# Altium PCB Thermostat_8CH.PCBDOC (part 7 of 10)
Units mil, origin at the board's own origin, x right, y up, seen from the top; angles counter-clockwise.
Board outline 8409.08 x 3937.01 mil, 4 copper layers (TOP, G1, L2, BOT), stack 61.024 mil thick; 941 components, 513 nets, 2912 pads, 1409 vias.
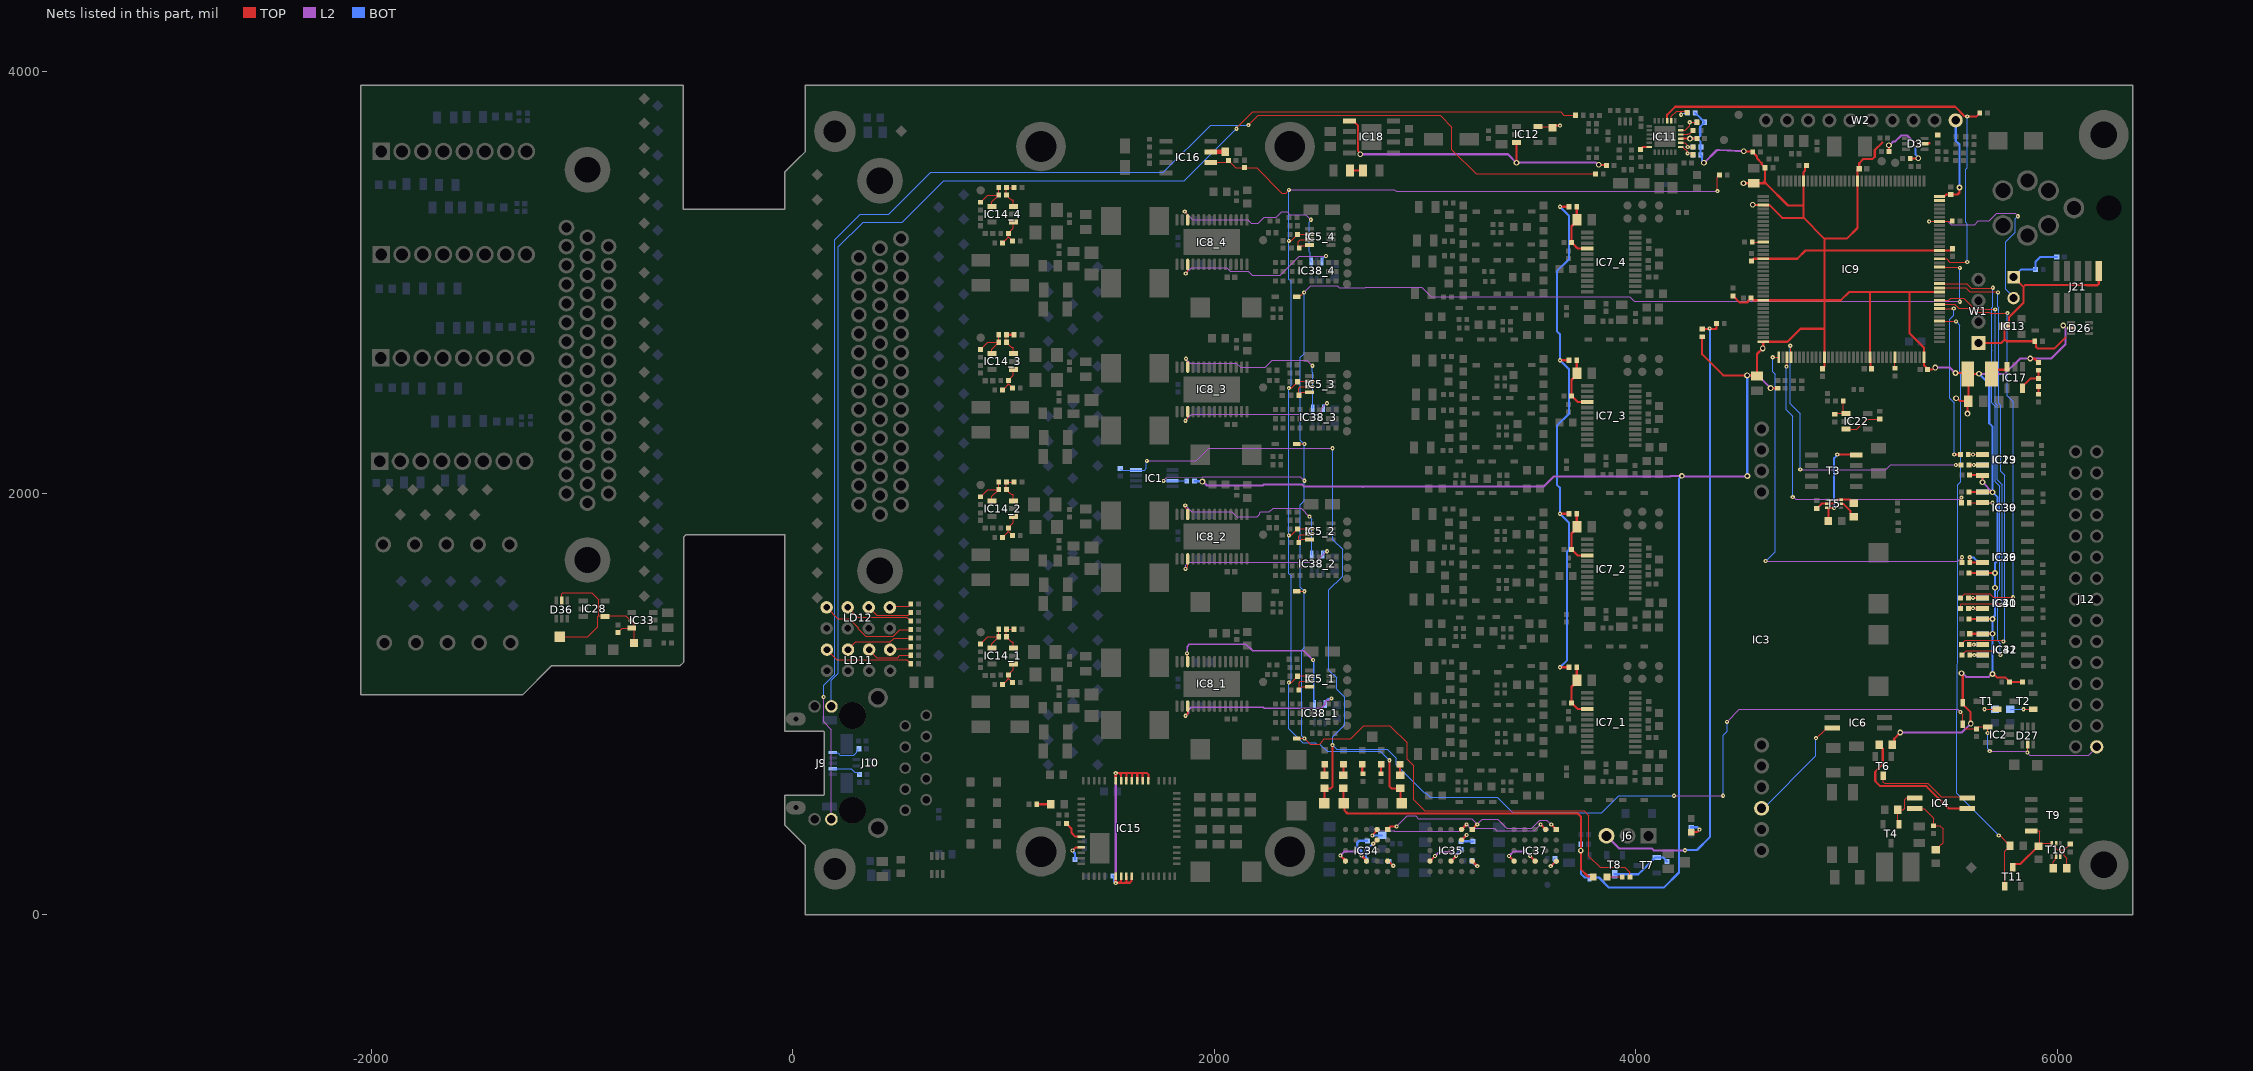
[diagram p9: the nets of this part, all layers, seen from the top]

## Via types
v1: diameter 19.68, hole 7.87, TOP to BOT, tented both sides, 1030 vias
v2: diameter 27.56, hole 15.75, TOP to BOT, tented both sides, 191 vias
v3: diameter 23.62, hole 11.81, TOP to BOT, tented both sides, 97 vias
v4: diameter 23.62, hole 11.81, TOP to BOT, 81 vias
v5: diameter 25.98, hole 12.99, TOP to BOT, tented both sides, 10 vias

## Nets (pads, with @x,y where several pads share a name; then routed paths per layer and width w, separated by ;. In a path a pad name is that pad's centre, name@x,y a point inside that pad or via, vN(x,y) a via of type N, cw(c..) or ccw(c..) an arc to the next point about the centre after c; other vN are vias at no path point) (continued)
NetFB1_2: FB1.2 J9.1 | length 149.9
  BOT w5: J9.1@188.98,769.69 215.95,769.69 218.88,766.76 218.88,760.67 223.27,756.28 288.54,756.28 303.19,770.93 303.19,778.29 FB1.2@312.5,787.6
NetFB2_2: FB2.2 J9.4 | length 138.2
  BOT w5: J9.4@188.98,692.91 276.35,692.91 293.22,676.04 306.63,676.04 315.94,666.73 FB2.2@315.94,666.34
NetIC3_3: IC3.3 IC6.2 | length 543.4
  TOP w5: v1(4855,838) 4855.54,838 4856.54,837 4874.98,855.44 4876.74,855.44 4907.78,886.48 IC6.2@4932.39,886.48
  BOT w5: IC3.3@4596.85,505.24 4606.18,505.24 4855,754.06 v1(4855,838)
NetIC4_1: IC4.1 R16.1 | length 684
  TOP w10: R16.1@5154.86,807.17 5154.86,805.2 5171.67,788.4 5171.67,713.52 5136.44,678.29 5136.44,634.26 5160.52,610.18 5378.78,610.18 5484.96,504 IC4.1@5572.02,504
NetIC4_2: IC4.2 T6.3 | length 460
  TOP w5: T6.3@5173.83,660.07 5173.83,629.59 5180.42,623 5385.96,623 5448.96,560 5566.02,560 IC4.2@5572.02,554
NetIC4_3: IC4.3 R66.2 T4.1 | length 199.2
  TOP w5: T4.1@5248.63,429.13 5243.41,434.36 R66.2@5243.41,497.92 5268.63,497.92 5275.81,505.11 5275.81,546.82 5283,554 IC4.3@5323.98,554
NetIC4_4: IC4.4 R14.1 R35.2 | length 310.2
  TOP w5: IC4.4@5323.98,504 5367.9,504 5413.39,458.52 R35.2@5413.39,422.05 5442.95,422.05 5458,407 5458,342.73 5440.41,325.15 5440.41,323.18 5425.2,307.96 R14.1@5423.23,307.96
NetIC5_1_3: IC5_1.3 IC5_1.4 R142_1.2 | length 135.5
  TOP w5: R142_1.2@2402,1070 R142_1.2@2402,1073 ; IC5_1.4@2450.79,1081.89 2414.61,1081.89 2405.72,1073 R142_1.2@2402,1073 ; IC5_1.3@2450.79,1107.48 2407.48,1107.48 2402,1102 R142_1.2@2402,1073
NetIC5_2_3: IC5_2.3 IC5_2.4 R142_2.2 | length 128
  TOP w5: R142_2.2@2400.5,1766 2400.5,1795.5 2409,1804 2438,1804 IC5_2.3@2442,1808 ; R142_2.2@2403,1771 2404.72,1771 2414.43,1780.71 IC5_2.4@2450.79,1780.71
NetIC5_3_3: IC5_3.3 IC5_3.4 R142_3.2 | length 129.8
  TOP w5: R142_3.2@2401,2471 2401,2499 2407.12,2505.12 IC5_3.3@2450.79,2505.12 ; R142_3.2@2407,2469 2407,2471.28 2415.24,2479.53 IC5_3.4@2450.79,2479.53
NetIC5_4_3: IC5_4.3 IC5_4.4 R142_4.2 | length 140.4
  TOP w5: R142_4.2@2402,3162 2397,3167 2397,3193 2407.94,3203.94 IC5_4.3@2450.79,3203.94 ; R142_4.2@2402.5,3164 2402.5,3164.79 2411.42,3173.7 2436.7,3173.7 IC5_4.4@2444,3181
NetIC8_1_12: IC8_1.12 IC38_1.4 | length 910.4
  TOP w6: v1(1870.08,1240.16) 1871.69,1238.54 1871.69,1202.6 IC8_1.12@1873.31,1200.98
  L2 w6: v1(1870.08,1240.16) 1870.08,1271.65 1881.89,1283.46 2149.61,1283.46 2181.1,1251.97 2425.2,1251.97 v1(2468.5,1208.66)
  BOT w6: v1(2468.5,1208.66) 2471.12,1206.04 2471.12,1013.13 IC38_1.4@2476.38,1007.87
NetIC8_1_17: IC8_1.17 IC38_1.6 | length 840.6
  TOP w6: v1(1863.56,944) 1873.31,953.75 IC8_1.17@1873.31,989.96
  L2 w6: v1(1863.56,944) 1877.98,958.42 1877.98,972.82 1890.08,984.91 2232.71,984.91 2237.3,980.31 2507.87,980.31 2525.42,997.86 2525.42,1009.12 2533.59,1017.28 2541.84,1017.28 2551.31,1026.75 v1(2555.01,1026.75)
  BOT w6: IC38_1.6@2526.57,999.44 2526.57,1010.27 2540.44,1024.13 2552.39,1024.13 v1(2555.01,1026.75)
NetIC8_2_12: IC8_2.12 IC38_2.4 | length 880.8
  TOP w5: v1(1861.5,1942.67) 1861.5,1931.69 1873.31,1919.88 IC8_2.12@1873.31,1899.8
  L2 w5: v1(1861.5,1942.67) 1892.75,1911.42 2083.49,1911.42 2105.59,1889.31 2202.73,1889.31 2214.8,1901.37 2214.8,1906.65 2219.56,1911.42 2261.53,1911.42 2279.03,1928.92 2411.18,1928.92 2450.79,1889.31 v1(2451.49,1889.31)
  BOT w5: v1(2451.49,1889.31) 2451.49,1887.95 2462.72,1876.72 IC38_2.4@2462.72,1708.96
NetIC8_2_17: IC8_2.17 IC38_2.6 | length 802.2
  TOP w5: v1(1863.19,1641.49) 1873.31,1651.61 IC8_2.17@1873.31,1688.78
  L2 w5: v1(1863.19,1641.49) 1863.58,1641.89 1863.58,1658.83 1877.98,1673.23 2480.18,1673.23 2532.14,1725.18 v1(2535.06,1725.18)
  BOT w5: IC38_2.6@2513.91,1708.96 2513.91,1719.79 2519.28,1725.17 v1(2535.06,1725.18)
NetIC8_3_12: IC8_3.12 IC38_3.4 | length 888.6
  TOP w5: v1(1864.99,2638.6) 1867.8,2635.79 1867.8,2626.9 1873.31,2621.4 IC8_3.12@1873.31,2598.62
  L2 w5: v1(1864.99,2638.6) 1885.48,2618.11 2104.74,2618.11 2125.5,2597.34 2241.52,2597.34 2275.43,2631.25 2439.31,2631.25 v1(2465.2,2605.37)
  BOT w5: v1(2465.2,2605.37) 2465,2605.17 2465,2579.11 2464.36,2578.47 2464.36,2574.33 2466.54,2572.15 IC38_3.4@2466.54,2403.49
NetIC8_3_17: IC8_3.17 IC38_3.6 | length 794.9
  TOP w5: v1(1862.15,2344.11) 1873.31,2355.27 IC8_3.17@1873.31,2387.6
  L2 w5: v1(1862.15,2344.11) 1892.05,2374.02 2493.78,2374.02 2513.01,2393.25 2513.01,2405.8 2534.2,2426.99 v1(2534.46,2426.99)
  BOT w5: IC38_3.6@2517.72,2403.49 2517.72,2414.32 2527.57,2424.18 2531.65,2424.18 v1(2534.46,2426.99)
NetIC8_4_12: IC8_4.12 IC38_4.4 | length 911.3
  TOP w5: v1(1859.11,3336.72) 1859.11,3334.22 1873.31,3320.02 IC8_4.12@1873.31,3297.44
  L2 w5: v1(1859.11,3336.72) 1897.93,3297.9 2158.18,3297.9 2175.52,3280.55 2207.43,3280.55 2237.32,3310.45 2293.82,3310.45 2319.98,3336.61 2344.65,3336.61 2358.27,3323 2432.71,3323 v1(2457.82,3297.9)
  BOT w5: v1(2457.82,3297.9) 2457.82,3293.92 2450.43,3286.54 2450.43,3147.09 2454.48,3143.05 2454.48,3105.33 IC38_4.4@2459.85,3099.96
NetIC8_4_17: IC8_4.17 IC38_4.6 | length 811.8
  TOP w5: v1(1864.43,3043.3) 1864.43,3044.13 1873.31,3053.02 IC8_4.17@1873.31,3086.42
  L2 w5: v1(1864.43,3043.3) 1891.99,3070.87 2057.79,3070.87 2076.06,3052.59 2161.44,3052.59 2179.24,3034.8 2311.52,3034.8 2402.46,3125.74 v1(2529.73,3125.74)
  BOT w5: IC38_4.6@2511.03,3099.96 2511.03,3110.78 2525.99,3125.74 v1(2529.73,3125.74)
NetIC9_48: IC9.48 R32.2 | length 52.4
  TOP w5: R32.2@4552.08,3191.67 IC9.48@4604.44,3191.67
NetIC9_73: IC9.73 R112.1 | length 1985.5
  TOP w5: v1(4649.48,2645.36) 4649.53,2645.41 IC9.73@4678.26,2645.41 ; R112.1@5547.45,1671.79 5548,1672.33 v1(5548,1696.79)
  L2 w5: v1(4616.07,1678.59) 4910.31,1678.59 4912.56,1676.35 5527.57,1676.35 v1(5548,1696.79)
  BOT w5: v1(4616.07,1678.59) 4661.04,1723.57 4661.04,2564.42 4649.48,2575.98 v1(4649.48,2645.36)
NetIC9_75: IC9.75 R113.1 | length 1508.7
  TOP w5: v1(4715.01,2600.95) 4717.63,2603.57 IC9.75@4717.63,2645.41 ; R113.1@5544.95,1955.38 v1@5544.95,1979.5
  L2 w5: v1(4745,1982) 4748.76,1982 4759.15,1971.62 5537.07,1971.62 v1(5545,1979.55)
  BOT w5: v1(4715.01,2600.95) 4715.01,2395.55 4745,2365.56 v1(4745,1982) ; v1@5544.95,1979.5 v1(5545,1979.55)
NetIC9_76: IC9.76 R108.1 | length 1436.3
  TOP w5: v1(4733,2700.34) 4735.16,2698.18 4735.16,2647.57 IC9.76@4737.32,2645.41 ; v1(5518.89,2134.29) R108.1@5543.6,2134.29
  L2 w5: v1(4780.61,2113.61) 4782.52,2111.69 5186.55,2111.69 5209.14,2134.29 v1(5518.89,2134.29)
  BOT w5: v1(4733,2700.34) 4733,2425.01 4780.61,2377.41 v1(4780.61,2113.61)
NetIC9_101: IC9.101 R34.1 | length 52.2
  TOP w5: R34.1@5229.44,2593.25 IC9.101@5229.44,2645.41
NetIC9_114: IC9.114 R197.2 T11.1 | length 2894.4
  TOP w5: IC9.114@5441.06,2817.66 5441.85,2816.86 5518.89,2816.86 v1(5519.69,2816.06) ; v1(5722.61,376.13) 5726.23,376.13 R197.2@5775.59,326.77 5775.59,324.8 5751.46,300.67 T11.1@5751.46,135.32
  BOT w5: v1(5519.69,2816.06) 5537.92,2797.83 5537.92,2580.17 5541.28,2576.81 5541.28,2055.32 5527.6,2041.65 5527.6,1411.94 5528.57,1410.97 5528.57,1193.03 5524.46,1188.92 5524.46,970.99 5522.66,969.18 5522.66,576.08 v1(5722.61,376.13)
NetIC9_117: IC9.117 R110.1 | length 806.6
  TOP w5: IC9.117@5441.06,2876.71 5508.5,2876.71 v1(5508.76,2876.97)
  TOP w10: v1(5511.23,2184.29) R110.1@5540.96,2184.27
  BOT w5: v1(5508.76,2876.97) 5508.76,2844.14 5490.26,2825.65 5490.26,2450.64 5511.23,2429.68 v1(5511.23,2184.29)
NetIC9_118: IC9.118 R117.1 | length 1968.6
  TOP w5: IC9.118@5441.06,2896.4 5513.85,2896.4 5533.28,2876.97 5581.03,2876.97 5599.73,2858.27 5678.73,2858.27 5682,2855 v1(5763.19,2855) ; R117.1@5541.36,1504.57 5560.28,1523.49 5679.29,1523.49 5696.3,1506.49 v1(5790.33,1506.49)
  TOP w10: R117.1@5537.31,1505.14 5538.66,1506.49 R117.1@5541.36,1503.79
  BOT w5: v1(5763.19,2855) 5763.19,2461.72 5790.33,2434.58 v1(5790.33,1506.49)
NetIC9_119: IC9.119 R115.1 | length 1923.9
  TOP w5: IC9.119@5441.06,2916.08 5484.27,2916.08 5494.21,2926.02 5555.37,2926.02 5608.97,2872.42 5705.13,2872.42 v1(5705.7,2872.99) ; R115.1@5541.36,1453.79 5541.36,1472.24 5544.29,1475.17 5725.33,1475.17 5730.45,1470.04 v1(5734.42,1470.04)
  BOT w5: v1(5705.7,2872.99) 5705.7,2427.73 5715.5,2417.93 5715.5,2064.19 5738.04,2041.65 5738.04,1481 5737.23,1480.19 5737.23,1472.85 v1(5734.42,1470.04)
NetIC9_122: IC9.122 R118.1 | length 2172.7
  TOP w5: IC9.122@5441.06,2975.14 5565.52,2975.14 5585.2,2955.45 5716.61,2955.45 v1(5718.5,2953.56) ; R118.1@5545.28,1281.89 5545.28,1282.68 5564.19,1301.59 5735.64,1301.59 5740.45,1296.79 v1(5744.42,1296.79)
  BOT w5: v1(5718.5,2953.56) 5718.5,2884.72 5723.04,2880.18 5723.04,2458.95 5721.3,2457.21 5721.3,2426.27 5732.89,2414.68 5732.89,2103.7 5751.77,2084.83 5751.77,1301.55 5747,1296.79 v1(5744.42,1296.79)
NetIC9_123: IC9.123 R123.1 | length 2236
  TOP w5: IC9.123@5441.06,2994.82 5569.62,2994.82 5592.02,2972.42 5690.28,2972.42 5693,2975.14 v1(5694.29,2975.14) ; R123.1@5547.45,1231.89 5547.45,1232.68 5567.53,1252.75 5709.14,1252.75 v1(5730,1231.89)
  BOT w5: v1(5694.29,2975.14) 5694.29,2886.11 5688.36,2880.18 5688.36,2678.13 5689.45,2677.04 5689.45,2429.84 5705.5,2413.79 5705.5,2054.86 5728.04,2032.31 5728.04,1544.99 5717.08,1534.03 5717.08,1299.6 5730,1286.69 v1(5730,1231.89)
NetIC9_138: IC9.138 JP2.2 R63.1 | length 992.6
  TOP w5: v1(5391.77,3290.1) IC9.138@5441.06,3290.1 5499.94,3290.1 R63.1@5501.18,3291.34
  L2 w5: v1(5391.77,3290.1) 5480.69,3290.1 5495.69,3275.1 5608.64,3275.1 5625.98,3292.44 5677.96,3292.44 5713.28,3327.76 5800.24,3327.76 v1(5813,3315)
  BOT w5: JP2.2@5792.58,2926.02 5792.58,2932.3 5755.55,2969.33 5755.55,3193.29 5801.44,3239.18 5801.44,3302.04 5813,3313.6 v1(5813,3315)
NetIC11_7: IC11.7 R21.2 R24.2 | length 105.1
  TOP w5: IC11.7@4213.37,3643.7 4221.44,3643.7 4243.04,3622.1 4243.04,3619.93 4246.97,3616 4249.14,3616 4252,3613.15 4264.79,3613.15 R24.2@4271.64,3606.3
  BOT w5: v1(4245.85,3613.15) 4247.72,3615.02 4261.74,3615.02 4270.66,3606.1 R21.2@4270.66,3605.32
NetIC11_8: IC11.8 R20.2 R23.2 | length 89.4
  TOP w5: IC11.8@4213.37,3663.39 4232.49,3663.39 4243.24,3652.63 4243.24,3650.48 4246.97,3646.76 v1@4249.11,3646.76 ; v1@4252.17,3643.7 R23.2@4271.88,3643.7
  BOT w5: v1(4246.05,3643.7) R20.2@4271.88,3643.7
NetIC11_10: IC11.10 R25.1 | length 67.1
  TOP w5: IC11.10@4213.37,3702.76 4246.58,3702.76 4249.49,3705.67 4255.89,3705.67 4271.88,3721.65 R25.1@4271.88,3722.44
NetIC11_11: IC11.11 R22.2 R27.2 | length 136.2
  TOP w5: IC11.11@4213.37,3722.44 4234.46,3722.44 4255.67,3743.66 4255.67,3759.4 v1@4256.99,3760.71 ; v1(4256,3761) 4289.85,3761 R27.2@4290.15,3760.71
  BOT w5: v1(4256,3761) 4288.87,3761 R22.2@4289.16,3760.71
NetIC11_14: IC11.14 R29.2 R99.2 | length 161.6
  TOP w5: IC11.14@4168.1,3767.72 4168.1,3788.8 4193.46,3814.16 4214.77,3814.16 ; v1(4214.77,3796.3) 4214.77,3814.16 ; R29.2@4243.24,3806.89 4235.96,3814.16 4214.77,3814.16
  BOT w5: v1(4214.77,3796.3) 4218.02,3796.3 4226.15,3804.43 4244.28,3804.43 R99.2@4245.07,3805.21
NetIC11_24: IC11.24 R26.1 | length 47.3
  TOP w10: R26.1@4021.45,3631.69 4022.23,3631.69 4034.24,3643.7 IC11.24@4063.77,3643.7
NetIC14_1_1: IC14_1.1 R78_1.2 R79_1.2 R80_1.2 | length 157.1
  TOP w5: R79_1.2@995.02,1091.92 995.02,1092.71 1003.94,1101.62 1004.72,1101.62 1022.85,1119.74 ; R78_1.2@1041.48,1101.62 1041.48,1102.41 1024.14,1119.74 1022.85,1119.74 ; IC14_1.1@1056.51,1190.74 IC14_1.1@1046.66,1190.74 1046.66,1161.71 1022.85,1137.89 R80_1.2@1022.85,1137.1 1022.85,1119.74
NetIC14_1_3: IC14_1.3 R72_1.1 R74_1.1 R76_1.2 | length 143.3
  TOP w5: IC14_1.3@1046.66,1265.54 1046.66,1292.83 1043.74,1295.76 1036.02,1295.76 1022.44,1309.33 1013.52,1318.25 R74_1.1@1013.52,1319.04 1013.46,1319.11 R72_1.1@1013.46,1354.47 R76_1.2@1049.53,1354.47
NetIC14_1_4: IC14_1.4 R72_1.2 R74_1.2 R77_1.1 | length 202.8
  TOP w5: R77_1.1@890.17,1284.84 890.96,1284.84 925.16,1319.04 R74_1.2@976.52,1319.04 ; IC14_1.4@944.3,1265.54 944.3,1286.04 976.52,1318.25 R74_1.2@976.52,1319.04 ; R72_1.2@976.45,1354.47 976.45,1319.11 R74_1.2@976.52,1319.04
NetIC14_2_1: IC14_2.1 R78_2.2 R79_2.2 R80_2.2 | length 157.1
  TOP w5: R79_2.2@995.02,1790.74 995.02,1791.53 1003.94,1800.44 1004.72,1800.44 1022.85,1818.56 ; R78_2.2@1041.48,1800.44 1041.48,1801.23 1024.14,1818.56 1022.85,1818.56 ; IC14_2.1@1056.51,1889.56 IC14_2.1@1046.66,1889.56 1046.66,1860.53 1022.85,1836.71 R80_2.2@1022.85,1835.92 1022.85,1818.56
NetIC14_2_3: IC14_2.3 R72_2.1 R74_2.1 R76_2.2 | length 139.1
  TOP w5: R72_2.1@1013.46,2053.29 1013.46,2017.93 R74_2.1@1013.52,2017.86 1013.52,2017.07 1022.44,2008.15 1036.02,1994.58 1043.74,1994.58 1046.66,1991.65 IC14_2.3@1046.66,1964.36 ; R72_2.1@1019,2050 1022.29,2053.29 R76_2.2@1049.53,2053.29
NetIC14_2_4: IC14_2.4 R72_2.2 R74_2.2 R77_2.1 | length 202.8
  TOP w5: R77_2.1@890.17,1983.65 890.96,1983.65 925.16,2017.86 R74_2.2@976.52,2017.86 ; IC14_2.4@944.3,1964.36 944.3,1984.85 976.52,2017.07 R74_2.2@976.52,2017.86 ; R72_2.2@976.45,2053.29 976.45,2017.93 R74_2.2@976.52,2017.86
NetIC14_3_1: IC14_3.1 R78_3.2 R79_3.2 R80_3.2 | length 157.1
  TOP w5: R79_3.2@995.02,2489.56 995.02,2490.34 1003.94,2499.26 1004.72,2499.26 1022.85,2517.38 ; R78_3.2@1041.48,2499.26 1041.48,2500.05 1024.14,2517.38 1022.85,2517.38 ; IC14_3.1@1056.51,2588.38 IC14_3.1@1046.66,2588.38 1046.66,2559.35 1022.85,2535.53 R80_3.2@1022.85,2534.74 1022.85,2517.38
NetIC14_3_3: IC14_3.3 R72_3.1 R74_3.1 R76_3.2 | length 138.7
  TOP w5: R72_3.1@1013.46,2752 1013.46,2716.74 R74_3.1@1013.52,2716.68 1013.52,2715.89 1022.44,2706.97 1036.02,2693.4 1043.74,2693.4 1046.66,2690.47 IC14_3.3@1046.66,2663.18
  TOP w10: R72_3.1@1018,2752 1018.11,2752.11 R76_3.2@1049.53,2752.11
NetIC14_3_4: IC14_3.4 R72_3.2 R74_3.2 R77_3.1 | length 202.8
  TOP w5: R77_3.1@890.17,2682.47 890.96,2682.47 925.16,2716.68 R74_3.2@976.52,2716.68 ; IC14_3.4@944.3,2663.18 944.3,2683.67 976.52,2715.89 R74_3.2@976.52,2716.68 ; R72_3.2@976.45,2752.11 976.45,2716.74 R74_3.2@976.52,2716.68
NetIC14_4_1: IC14_4.1 R78_4.2 R79_4.2 R80_4.2 | length 157.1
  TOP w5: R79_4.2@995.02,3188.38 995.02,3189.16 1003.94,3198.08 1004.72,3198.08 1022.85,3216.2 ; R78_4.2@1041.48,3198.08 1041.48,3198.87 1024.14,3216.2 1022.85,3216.2 ; IC14_4.1@1056.51,3287.2 IC14_4.1@1046.66,3287.2 1046.66,3258.17 1022.85,3234.35 R80_4.2@1022.85,3233.56 1022.85,3216.2
NetIC14_4_3: IC14_4.3 R72_4.1 R74_4.1 R76_4.2 | length 143.3
  TOP w5: IC14_4.3@1046.66,3362 1046.66,3389.29 1043.74,3392.21 1036.02,3392.21 1022.44,3405.79 1013.52,3414.71 R74_4.1@1013.52,3415.49 1013.46,3415.56 R72_4.1@1013.46,3450.93 R76_4.2@1049.53,3450.93
NetIC14_4_4: IC14_4.4 R72_4.2 R74_4.2 R77_4.1 | length 202.8
  TOP w5: R77_4.1@890.17,3381.29 890.96,3381.29 925.16,3415.49 R74_4.2@976.52,3415.49 ; IC14_4.4@944.3,3362 944.3,3382.49 976.52,3414.71 R74_4.2@976.52,3415.49 ; R72_4.2@976.45,3450.93 976.45,3415.56 R74_4.2@976.52,3415.49
NetIC15_7: IC15.7 IC15.8 IC15.9 IC15.10 IC15.38 IC15.39 IC15.40 IC15.41 IC15.42 IC15.43 IC15.44 R95.2 | length 1168.7
  TOP w10: IC15.44@1531.55,635.63 1531.78,635.85 1531.78,673.78 v1@1532,674 ; v1(1532,150) 1531.78,150.22 1531.78,176.78 IC15.7@1532,177 ; v1(1532,672) 1550,672 ; v1@1534,150 1535.85,151.85 1553.14,151.85 1557.14,155.86 IC15.8@1557.14,182.87 ; 1549,151 1576.88,151 1577.88,152 ; IC15.43@1557.14,635.63 1557.14,664.86 1550,672 ; 1574,152 1577.88,152 ; 1581,671 1582.73,669.27 IC15.42@1582.73,635.63 ; IC15.9@1582.73,182.87 1582.73,156.86 1577.88,152 ; IC15.10@1608.33,182.87 1607.42,181.96 1607.42,160.42 1599,152 1577.88,152 ; IC15.41@1608.33,635.63 1608.33,670.33 1610,672 ; 1633,671 1633.92,670.08 IC15.40@1633.92,635.63 ; 1659,670 1659.51,669.49 IC15.39@1659.51,635.63 ; IC15.38@1687,640 1687,666.14 1681.14,672 1610,672 ; 1550,672 1610,672
  L2 w10: v1(1532,150) v1(1532,672)
  BOT w10: R95.2@1518.03,184.25 1524.45,177.83 1524.45,157.55 v1(1532,150)
NetIC15_59: IC15.59 R138.2 | length 102.5
  TOP w10: R138.2@1303,429 1303,426.82 1322.05,407.77 1322.05,388.95 1340.14,370.86 IC15.59@1369.15,370.86
NetIC15_61: IC15.61 R128.2 | length 94.7
  TOP w10: v1(1327,305) 1341.68,319.68 IC15.61@1369.15,319.68
  BOT w10: v1@1330,304 1328.85,302.85 1328.85,300.53 1338.5,290.88 R128.2@1338.5,262
NetIC16_7: IC16.7 R96.1 | length 68.7
  TOP w20: IC16.7@1982.72,3620.6 1983.19,3621.06 R96.1@2051.18,3621.06
NetIC17_3: IC17.3 L8.1 | length 109
  TOP w10: L8.1@5685.88,2547.79 5685.88,2560.75 5711.4,2586.26 5751.91,2586.26 5758.72,2593.07 IC17.3@5758.72,2602.91
NetIC17_5: IC17.5 R102.1 R103.2 | length 138.8
  TOP w10: IC17.5@5836.09,2498.19 5836.09,2508.03 5872.2,2544.14 R103.2@5910.44,2544.14 R102.1@5910.44,2583.82
NetIC19_6: IC19.6 IC23.3 R110.2 | length 104.4
  TOP w5: R110.2@5577.97,2184.27 v1(5599.78,2184.27) ; v1@5604.1,2184.29 IC19.6@5645.42,2184.29
  BOT w5: v1@5604.1,2184.29 IC23.3@5645.42,2184.29
NetIC19_7: IC19.7 IC23.2 R108.2 | length 106.1
  TOP w10: R108.2@5580.61,2134.29 v1(5604.1,2134.29) IC19.7@5645.42,2134.29
  BOT w10: v1(5604.1,2134.29) IC23.2@5645.42,2134.29
NetIC22_1: IC22.1 R141.1 R154.2 | length 104.1
  TOP w5: R154.2@4944.01,2374.73 4948.44,2379.16 4986.94,2379.16 4984.54,2381.56 R141.1@4984.54,2437.49
NetIC22_3: IC22.3 R131.1 | length 179.3
  TOP w5: IC22.3@4998.03,2304.36 5047.85,2304.36 5095.88,2352.39 R131.1@5157.48,2352.39
NetIC29_7: IC29.7 IC36.2 R112.2 | length 156.5
  TOP w10: v1(5584.46,1696.25) R112.2@5584.46,1671.79 IC29.7@5645.41,1671.79
  BOT w10: v1(5584.46,1696.25) 5586.32,1694.4 5604.1,1694.4 5626.71,1671.79 IC36.2@5645.41,1671.79
NetIC30_2: IC30.2 IC39.7 R113.2 | length 158.6
  TOP w5: R113.2@5581.95,1955.38 IC30.2@5645.41,1955.38 ; IC30.2@5645.41,1955.38 v1(5693,1955.37)
  BOT w5: IC39.7@5645.42,1955.37 v1(5693,1955.37)
NetIC31_6: IC31.6 IC40.3 R117.2 | length 108.8
  TOP w10: R117.2@5582.28,1503.79 v1(5599.78,1503.79) IC31.6@5645.41,1503.79
  BOT w10: v1(5599.78,1503.79) IC40.3@5645.41,1503.79
NetIC31_7: IC31.7 IC40.2 R115.2 | length 110.3
  TOP w10: R115.2@5579.79,1453.79 v1@5600,1453.79 ; v1@5601.21,1453.79 IC31.7@5645.41,1453.79
  BOT w10: v1(5600,1455) 5601.21,1453.79 IC40.2@5645.41,1453.79
NetIC32_2: IC32.2 IC41.7 R118.2 | length 106
  TOP w5: R118.2@5582.28,1281.89 v1@5604,1281.89 ; v1@5605.11,1281.89 IC32.2@5646.65,1281.89
  BOT w5: v1(5604,1282) 5604.11,1281.89 IC41.7@5646.65,1281.89
NetIC32_3: IC32.3 IC41.6 R123.2 | length 102.9
  TOP w5: R123.2@5584.46,1231.89 IC32.3@5646.65,1231.89
  BOT w5: v1(5606,1232) 5606.11,1231.89 IC41.6@5646.65,1231.89